# Allegro board MB1045.brd (continued)
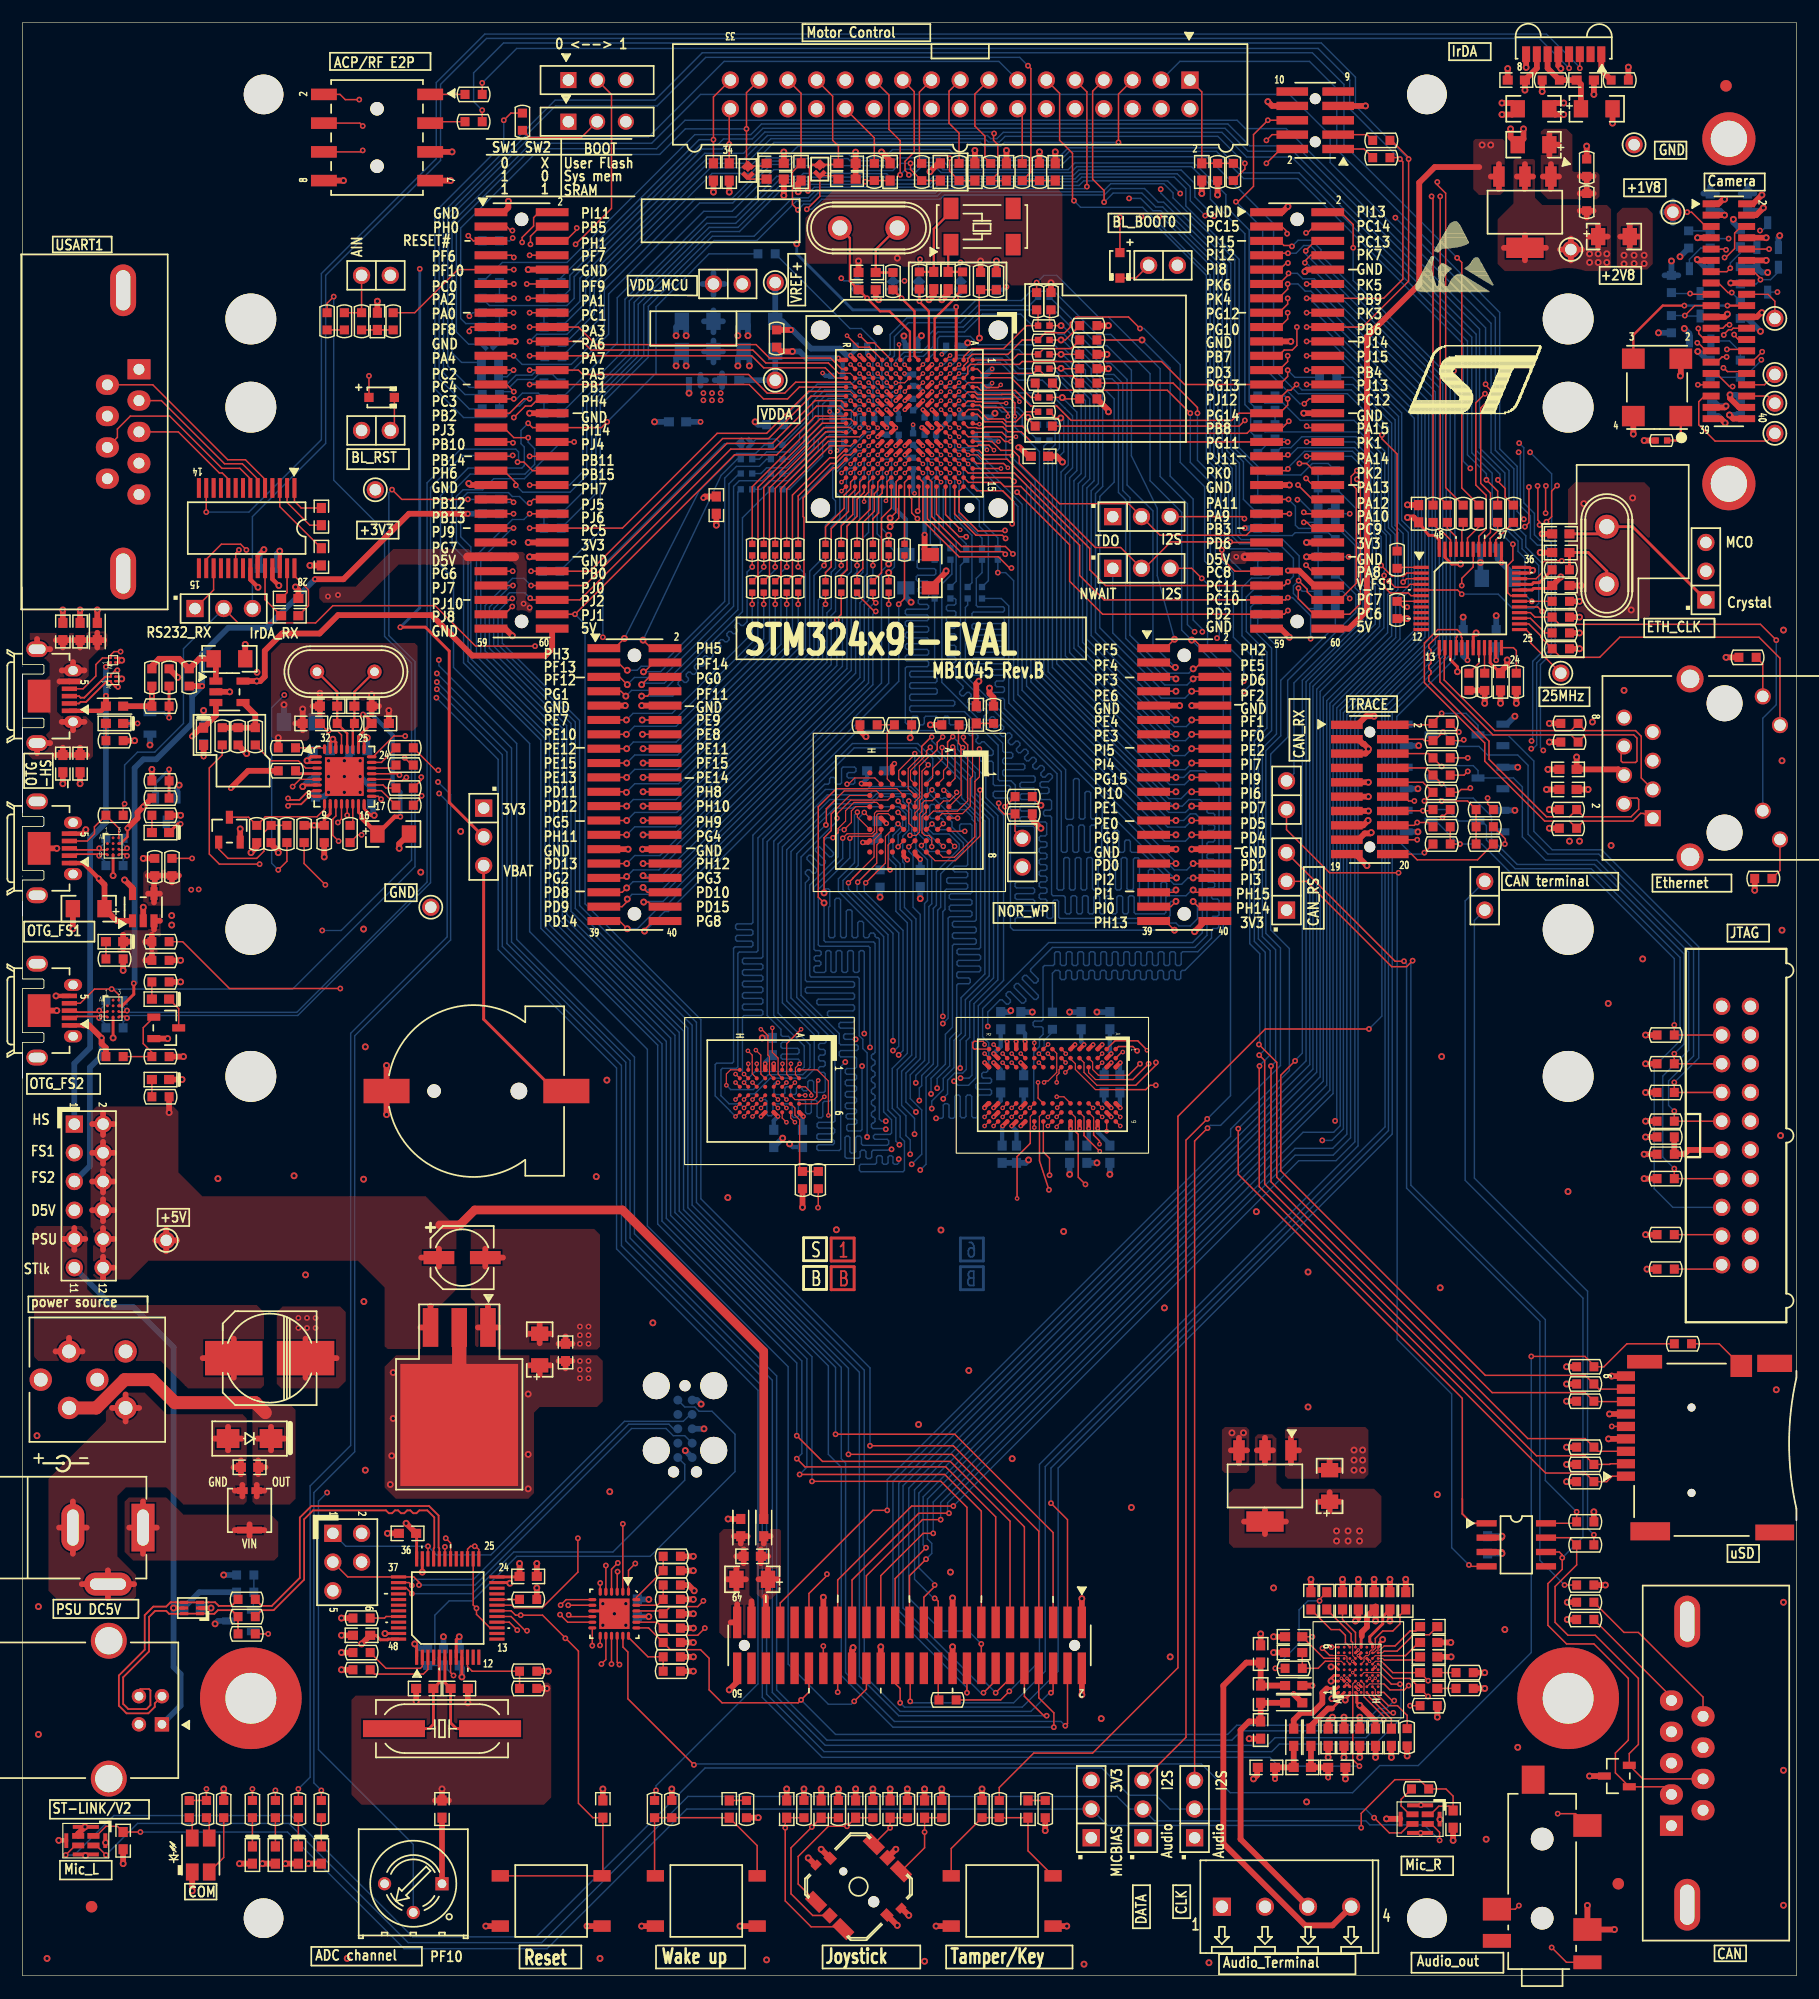
[diagram p0: board, top side]
## Routing (per net, layer and track width the routed paths; a pad name or vN(x,y) marks a point on that pad's centre or on a via; arc(x,y) is an arc through that point) (continued)
NETC10_2: length 77.2
  TOP w0.127: v1(68.55,156.16) 68.07,156.64 68.07,159.51 C10.2 68.83,166.47 CN1.29
  BOTTOM w0.127: v1(68.55,156.16) 69.06,156.67 69.8,156.67 70.51,157.38 80.87,157.38 81.25,157.76 95.5,157.76 96.22,158.47 100.91,158.47 101.73,157.66 101.73,157.23 107.19,151.76 107.19,135.05 109.22,133.02 R255.2
NETC11_1: length 48.2
  TOP w0.127: v1(74.5,158.65) 74.6,158.75 R9.2 C11.1
  BOTTOM w0.127: R263.1 50.32,131.98 50.32,139.12 54.43,143.23 54.43,147.81 60.86,154.24 63.39,154.24 67.44,158.29 69.19,158.29 69.32,158.42 74.27,158.42 v1(74.5,158.65)
NETC12_2: length 46.2
  TOP w0.127: C12.2 R10.1 78.51,159.74 v1(78.51,160.27)
  BOTTOM w0.127: R242.1 53.26,143.81 53.26,148.26 60.53,155.52 63.08,155.52 66.68,159.13 68.78,159.13 69.04,159.38 73.18,159.38 73.43,159.64 76.96,159.64 77.6,160.27 v1(78.51,160.27)
NETC13_2: length 56.3
  TOP w0.127: v1(81.97,160.73) 81.97,159.59 R11.1 C13.2
  BOTTOM w0.127: v1(81.97,160.73) 81.51,161.19 76.97,161.19 76.28,160.5 73.17,160.5 72.97,160.7 68.39,160.7 67.87,160.17 66.19,160.17 62.79,156.77 59.87,156.77 51.82,148.72 51.82,145.16 48.61,141.95 45.43,141.95 45.02,141.54 43.62,141.54 42.89,140.8 41.16,140.8 R232.1
NETC14_2: length 52.2
  TOP w0.127: C14.2 R12.1 86.23,159.38 86.23,161.93 85.85,162.31 85.85,162.86 v1(85.9,162.92)
  BOTTOM w0.127: R218.1 48.27,147.07 49.28,148.07 49.28,150.11 60.33,161.16 63.75,161.16 65.63,163.04 85.78,163.04 v1(85.9,162.92)
NETC15_1: length 89.3
  TOP w0.127: C15.1 R14.1 R13.2 89.15,159.51 89.15,168.66 v1(88.9,168.91)
  BOTTOM w0.127: R235.1 39.12,139.83 37.21,141.73 37.21,155.45 47.12,165.35 56.11,165.35 60.4,169.65 88.16,169.65 v1(88.9,168.91)
NETC16_2: length 10.6
  TOP w0.127: CN1.1 104.27,166.59 C16.2 R15.1 R16.1
NETC17_1: length 1.7
  TOP w0.127: C17.1 64.32,158.88 SB2.1
NETC18_2: length 79
  TOP w0.127: C18.2 71.83,159.18 SB1.1 70.49,157.36 v1(69.34,156.21)
  BOTTOM w0.127: v1(69.34,156.21) 69.77,156.21 70.66,157.1 81.13,157.1 81.51,157.48 95.66,157.48 96.22,158.05 99.2,158.05 100.41,156.84 100.89,156.84 106.48,151.26 106.48,134.87 107.59,133.76 107.59,127.64 107.87,127.36 112.27,127.36 112.52,127.61 115.47,127.61 R268.2
NETC20_1: length 6.3
  TOP w0.203: X2.2 75.44,152.65 C20.1 R20.2
NETC21_1: length 7.5
  TOP w0.203: R18.1 C21.1 80.57,154.48 82.09,156 X1.4
NETC22_1: length 3.8
  TOP w0.203: X1.1 81.84,152.84 C22.1 R19.1
NETC24_2: length 2.8
  TOP w0.127: R27.1 C24.2 R28.1
NETC28_1: length 3.8
  TOP w0.127: U4.1 24.04,130.39 24.64,129.79 C28.1
NETC28_2: length 5.1
  TOP w0.127: C28.2 25.4,128.27 23.39,130.28 U4.2
NETC29_1: length 15
  TOP w0.254: C29.1 139.45,127.51 X4.1 142.37,128.14 JP6.1
NETC30_2: length 6.7
  TOP w0.254: R64.2 C30.2 138.43,125.86 140.08,124.21 X4.2
NETC31_2: length 6.9
  TOP w0.127: C31.2 22.74,129.92 U4.3
NETC32_1: length 10.6
  TOP w0.127: v2(81.21,134.49) U3.E11
  TOP w0.508: v1(79.76,127.43) 79.76,126.14 80.21,125.68 C32.1
  BOTTOM w0.127: v2(81.21,134.49) 80.83,134.11 80.16,134.11 80.01,133.96 80.01,132.56 79.91,132.46 79.88,132.46
  BOTTOM w0.381: v1(79.76,127.43) 79.76,132.33 79.88,132.46
NETC34_2: length 2.9
  TOP w0.127: U4.27 23.39,122.32 C34.2
NETC35_1: length 4.8
  TOP w0.127: U4.24 21.44,121.69 C35.1
NETC35_2: length 5.1
  TOP w0.127: C35.2 25.27,121.16 25.27,122.56 24.04,123.79 U4.28
NETC36_1: length 21.4
  TOP w0.508: 4.47,118.11 C37.1 ; C37.1 5.69,118.11 ; C37.1 5.08,117.46 ; C45.1 3.56,108.6 ; C45.1 2.95,107.95 ; C45.1 4.17,107.95 ; 3.56,117.46 C36.1 ; C36.1 4.17,118.11 ; C36.1 2.95,118.11 ; 2.44,117.31 CN9.8 1.28,118.21 ; 3.46,115.43 CN9.7 ; CN9.7 5.46,115.43 ; CN9.7 4.46,116.17 ; 4.47,107.95 C46.1 ; C46.1 5.69,107.95 ; C46.1 5.08,108.6 ; L1.2 7.21,118.11 ; L1.2 6.6,117.46 ; L1.2 5.99,118.11 ; L1.2 6.6,118.76 ; 4.46,110.14 CN9.6 ; CN9.6 3.46,110.88 ; CN9.6 5.46,110.88 ; 2.44,109.01 CN9.9 1.28,108.1 ; 5.01,114.46 CN9.5 3.26,114.46
NETC38_1: length 8.8
  TOP w0.508: U6.1 17.09,116.26 C38.1 15.62,116.46 R83.2 13.84,116.46 12.07,116.46 11.43,115.82 R81.1
NETC40_1: length 8
  TOP w0.203: U7.28 28.7,109.86 R89.2 C40.1 27.81,113.54 X5.1
NETC41_1: length 7.6
  TOP w0.203: X5.2 29.34,113.54 C41.1 R89.1 29.2,110.61 U7.27
NETC42_1: length 12.4
  TOP w0.102: 84,107.95 84,106.07 83.79,105.87 83.79,103.45 83.11,102.77 81.31,102.77 U8.B5
  TOP w0.127: 84,107.95 84,110.41 C42.1 R88.2
NETC43_1: length 5
  TOP w0.127: U7.29 28.2,109.72 27.81,110.11 v1(27.05,110.11) 26.92,110.11 C43.1
  BOTTOM w0.127: v1(27.05,110.11) 26.67,110.11 C137.1
NETC44_1: length 20.8
  TOP w0.254: 29.96,102.63 29.7,102.89 U7.15 ; U7.26 29.7,109.58 C44.1 30.86,110.9 30.23,111.53 v1(30.1,111.53)
  TOP w0.381: v1(33.4,102.49) 32.89,102.49 C49.1 29.96,102.37 29.96,102.63
  BOTTOM w0.381: v1(33.4,102.49) 33.4,104.67 32.72,105.36 32.72,109.7 30.89,111.53 v1(30.1,111.53)
NETC55_1: length 27.7
  TOP w0.508: D7.3 21.37,42.89 ; D7.3 20.7,43.4 ; D7.3 20.7,42.38 ; Z1.2 23.17,47.5 ; Z1.2 20.76,47.5 ; Z1.2 21.97,48.54 ; Z1.2 21.97,46.46 ; 20.83,44.35 C55.1 ; C55.1 21.48,44.96 ; C55.1 20.83,45.57
  TOP w1.143: 21.46,49.78 20.57,50.67 13.46,50.67 11.43,52.7 9.02,52.7 6.52,50.2 L3.1
NETC55_2: length 27
  TOP w0.508: Z1.1 19.37,47.5 ; Z1.1 18.17,46.46 ; Z1.1 16.96,47.5 ; Z1.1 18.17,48.54 ; 9.1,49.01 L3.2 ; L3.2 7.91,50.2 ; L3.2 10.3,50.2 ; L3.2 9.1,51.4 ; CN18.3 4.45,41.94 ; CN18.3 4.45,37.31 ; CN18.3 5.66,39.62 ; CN18.3 3.23,39.62 ; 19.43,42.38 19.43,42.89 ; 19.43,42.89 18.76,42.89 ; 19.43,42.89 19.43,43.4 ; 5.23,34.62 CN18.2 ; CN18.2 7.54,35.84 ; CN18.2 7.54,33.4 ; CN18.2 9.86,34.62 ; 19.3,44.35 C55.2 ; C55.2 19.3,45.57 ; C55.2 18.66,44.96
NETC58_1: length 9
  TOP w0.508: C58.1 65.28,37.69 ; C58.1 65.28,36.47 ; C58.1 65.93,37.08 ; 65.91,34.09 65.91,35.05 ; 65.91,35.05 65.07,35.05 ; 65.91,35.05 66.75,35.05 ; 65.91,35.05 65.91,36.02 ; 65.53,38.21 L5.2 66.14,38.86 ; CN20.45 65.72,33.46 65.66,33.53
NETC58_2: length 11.4
  TOP w0.508: 63.18,32.84 CN20.49 62.61,31.24 ; 63.11,37.08 C58.2 ; C58.2 63.75,36.47 ; C58.2 63.75,37.69 ; 62.28,35.05 C60.2 ; C60.2 63.12,36.02 ; C60.2 63.96,35.05 ; C60.2 63.12,34.09 ; 62.89,38.86 L4.2 ; L4.2 63.5,38.21 ; L4.2 64.11,38.86 ; CN20.47 64.45,33.11
NETC61_2: length 5.2
  TOP w0.127: C61.2 115.7,30.61 116.46,30.61 116.97,30.1 116.97,29.44 U17.C9
NETC62_1: length 5.4
  TOP w0.089: U17.D7 117.61,28.3 117.61,29.46 117.6,29.46
  TOP w0.127: C62.1 117.47,30.23 117.47,29.59 117.6,29.46
NETC62_2: length 55
  TOP w0.127: v1(135.2,2.49) 136.51,1.18 CN23.2 ; R176.1 v1(110.77,27.18) ; v1(114.68,33.15) 114.68,33.27 C62.2
  L4_SIG w0.102: v1(135.2,2.49) 134.04,2.49 130.81,5.71 130.81,12.88 122.53,21.16 112.75,21.16 110.77,23.14 v1(110.77,27.18)
  BOTTOM w0.127: v1(114.68,33.15) 113.67,33.15 112.87,32.35 112.87,29.37 110.77,27.28 v1(110.77,27.18)
NETC63_1: length 3.8
  TOP w0.089: U17.D9 117.86,29.46
  TOP w0.127: 117.86,29.46 117.86,30.35 116.71,31.5 C63.1
NETC67_1: length 7.2
  TOP w0.089: U17.E6 118.36,27.55 118.61,27.81 118.61,28.15 118.76,28.3 118.96,28.3 119.11,28.45 119.11,28.65 119.26,28.8 119.46,28.8 119.61,28.95 119.61,28.97 119.61,28.97 119.61,29.46
  TOP w0.127: 119.61,29.46 119.61,29.82 120.27,30.48 121.16,30.48 121.79,31.11 121.79,31.88 C67.1
NETC68_1: length 6.2
  TOP w0.089: U17.H8 120.25,28.55 120.4,28.7
  TOP w0.127: C68.1 124.38,30.15 122.99,30.15 121.54,28.7 120.4,28.7
NETC68_2: length 5.2
  TOP w0.089: 120.4,29.16 120.04,28.8 119.76,28.8 119.51,28.55 U17.G8
  TOP w0.127: C68.2 123.19,30.48 122.68,30.48 121.36,29.16 120.4,29.16
NETC70_2: length 38.8
  TOP w0.127: U17.A7 116.34,28.07 115.06,28.07 C70.2 v1(114.05,29.97)
  L4_SIG w0.102: JP13.1 95.5,12.19 96.9,13.59 104.65,13.59 106.17,15.11 106.17,27.05 108.58,29.46 113.54,29.46 v1(114.05,29.97)
NETC71_1: length 4.8
  TOP w0.089: 120.4,28.3 119.96,28.3 119.96,28.3 119.61,28.3 119.36,28.05 U17.G7
  TOP w0.127: C71.1 123.44,29.46 122.28,28.3 120.4,28.3
NETC72_2: length 5.5
  TOP w0.089: U17.B6 116.61,27.8 115.82,27.8
  TOP w0.127: 115.82,27.8 115.18,27.8 114.55,27.18 R176.2 C72.2
NETC73_1: length 37.3
  TOP w0.508: L6.2 C79.2 C73.1 108.2,27.69 106.17,25.65 106.17,11.68 113.41,4.45 115.82,4.45 CN24.4
NETC74_1: length 3.9
  TOP w0.089: U17.H7 120.26,28.05 120.4,27.91
  TOP w0.127: 120.4,27.91 123.29,27.91 C74.1
NETC75_1: length 31.7
  TOP w0.089: U17.G6 119.61,27.8 120.15,27.8 120.4,27.56
  TOP w0.127: v1(132.31,6.2) 131.99,5.88 CN23.4 ; v1(124.28,26.09) C75.1 121.15,26.8 120.4,27.56
  L4_SIG w0.102: v1(124.28,26.09) 123.52,25.32 123.52,22.25 131.57,14.2 131.57,6.93 v1(132.31,6.2)
NETC75_2: length 1.7
  TOP w0.127: C75.2 R180.1
NETC78_1: length 24.4
  TOP w0.089: 120.4,27.05 119.9,27.55 U17.H6
  TOP w0.127: CN23.6 137.32,14.33 v1(135.74,14.33) ; v1(124.28,24.69) C78.1 122.68,26.29 121.16,26.29 120.4,27.05
  L4_SIG w0.102: v1(135.74,14.33) 125.37,24.69 v1(124.28,24.69)
NETC78_2: length 1.7
  TOP w0.127: C78.2 R182.1
NETC79_1: length 24
  TOP w0.508: CN24.3 107.7,12.06 107.7,21.72 108.46,22.48 C80.1 C79.1 L7.2
NETC85_1: length 4.1
  TOP w0.127: C85.1 121.03,22.69 119.08,24.64 119.08,24.83 U17.F1
NETC86_2: length 16.2
  TOP w0.508: L8.2 C87.1 C86.2 v1(110.74,17.4)
  L4_SIG w0.508: CN24.2 110.74,6.99 v1(110.74,17.4)
NETC87_2: length 24.3
  TOP w0.508: L9.2 C87.2 C88.2 v1(115.44,17.53)
  L4_SIG w0.508: CN24.1 109.6,9.65 109.6,18.03 110.24,18.67 114.3,18.67 v1(115.44,17.53)
NETC89_1: length 137.9
  TOP w0.127: v1(10.41,12.7) C99.1 8.38,13.21 7.37,13.21 6.52,12.36 U19.1 ; U18.1 124.5,14.27 125.22,14.99 126.11,14.99 C89.1 126.49,15.88 125.86,16.51 R204.2 123.51,17.34 121.35,17.34 118.36,14.35 v1(118.36,13.08)
  BOTTOM w0.127: v1(10.41,12.7) 23.42,12.7 33.73,2.39 46.38,2.39 58.73,14.73 JP13.2 95.94,13.28 118.16,13.28 v1(118.36,13.08)
NETC92_1: length 1.5
  TOP w0.127: R195.2 C92.1
NETC98_1: length 1.5
  TOP w0.127: R203.2 C98.1
NETC131_2: length 9.1
  TOP w0.254: U5.37 v1(130.77,124.97) ; U5.18 v1(127.77,116.33) ; U5.23 130.27,116.37 v1(130.3,116.33)
  BOTTOM w0.508: C134.1 131.83,123.91 v1(130.77,124.97) 130.43,125.31 C131.2 ; C135.1 v1(130.3,116.33) ; C136.2 127.38,116.72 v1(127.77,116.33)
NETC133_1: length 10.8
  TOP w0.127: U3.L11 v2(75.61,134.49)
  BOTTOM w0.127: 76.83,132.41 76.83,133.88 76.61,134.11 75.99,134.11 v2(75.61,134.49)
  BOTTOM w0.381: C133.1 78.11,128.78 77.11,129.77 77.11,131.75 76.83,132.03 76.83,132.41
NETCN1_3: length 83
  L4_SIG w0.102: v1(132.74,128.8) 131.75,127.81 124.41,127.81 122.43,125.83 119.66,125.83 117.47,123.65 117.47,121.92 v1(117.35,121.79)
  BOTTOM w0.127: CN1.3 102.33,169.29 113.79,169.29 116.2,166.88 116.2,161.49 130.61,147.09 130.61,135.03 132.16,133.48 132.16,129.49 132.74,128.91 v1(132.74,128.8) ; R292.1 116.71,122.43 v1(117.35,121.79)
NETCN1_5: length 64.4
  TOP w0.127: v1(96.9,162.13) 96.9,166.4 CN1.5
  BOTTOM w0.127: v1(96.9,162.13) 86.82,162.13 86.49,161.8 85.01,161.8 84.68,162.13 66.45,162.13 64.21,159.89 60.83,159.89 50.55,149.61 50.55,146.94 48.06,144.45 R225.2
NETCN1_9: length 79.7
  TOP w0.127: CN1.9 94.11,166.59 v1(94.11,158.22)
  BOTTOM w0.127: R282.1 51.08,127.79 51.08,138.89 55.33,143.14 55.33,147.63 61.14,153.45 64.93,153.45 68.43,156.95 69.62,156.95 70.33,157.66 80.7,157.66 81.08,158.04 93.93,158.04 v1(94.11,158.22)
NETCN1_11: length 55.7
  TOP w0.127: CN1.11 91.69,166.47 91.69,162.31 92.84,161.16 92.84,157.1 v1(92.96,156.97)
  BOTTOM w0.127: R280.1 110.03,126.19 106.73,126.19 106.3,126.62 106.3,133.02 105,134.32 105,150.42 99.03,156.39 93.55,156.39 v1(92.96,156.97)
NETCN1_13: length 81.4
  BOTTOM w0.127: R234.1 46.86,141.6 45.59,141.6 45.15,141.16 43.75,141.16 43.05,140.46 39.5,140.46 37.59,142.37 37.59,155.32 44.88,162.61 55.35,162.61 62.03,169.29 86.33,169.29 CN1.13
NETCN1_14: length 5
  TOP w0.127: CN1.14 88.39,164.69 R13.1
NETCN1_15: length 8.5
  TOP w0.127: CN1.15 84.2,166.4 84.2,163.58 85.09,162.69 85.09,160.78 R12.2
NETCN1_17: length 8.1
  TOP w0.127: R11.2 82.8,162.94 81.92,163.83 81.92,166.65 CN1.17
NETCN1_19: length 7.9
  TOP w0.127: CN1.19 79.3,166.58 79.3,160.48 R10.2
NETCN1_21: length 61.6
  TOP w0.127: CN1.21 78.84,166.62 78.84,161.26 78.03,160.45 78.03,159.65 78.37,159.31 v1(78.37,159.25)
  BOTTOM w0.127: v1(78.37,159.25) 78.73,159.25 79.55,160.07 80.59,160.07 81.2,159.46 92.68,159.46 93.21,159.98 103.37,159.98 105.03,158.32 105.03,157.1 108.08,154.05 108.08,138.94 108.58,138.43 108.58,136.53 R246.2
NETCN1_23: length 60.5
  TOP w0.127: v1(77.6,159.26) 77.6,162.28 76.61,163.27 76.61,166.32 CN1.23
  BOTTOM w0.127: v1(77.6,159.26) 78.11,159.77 78.73,159.77 79.32,160.35 80.75,160.35 81.38,159.72 92.46,159.72 93.05,160.31 103.59,160.31 106.4,157.51 106.4,156.44 108.46,154.38 108.46,139.19 R240.1
NETCN1_26: length 5.9
  TOP w0.127: CN1.26 75.31,162.53 R9.1
NETCN2_1: length 3.4
  TOP w0.127: CN2.1 118.62,161.54 R7.2
NETCN2_3: length 3.3
  TOP w0.127: R6.2 118.87,162.81 CN2.3
NETCN3_1: length 3.1
  TOP w0.127: R3.2 CN3.1
NETCN3_3: length 3.1
  TOP w0.127: R4.2 36.16,163.96 CN3.3
NETCN4_1: length 4.8
  TOP w0.127: R26.1 R27.2 CN4.1
NETCN5_15: length 178.1
  TOP w0.127: v1(52.63,36.5) 52.07,35.95 U16.4 ; CN5.15 149.95,149.69 150.8,148.84 v1(151.13,148.84)
  L4_SIG w0.102: v1(151.13,148.84) 151.23,148.84 152.68,147.4 152.68,134.67 153.54,133.81 153.54,123.83 149.38,119.66 143.46,119.66 136.7,112.9 135.22,112.9 128.52,106.21 128.52,104.78 127.76,104.01 127.76,100.08 126.33,98.64 126.33,97.96 116.33,87.96 116.33,78.87 75.36,37.9 54.03,37.9 v1(52.63,36.5)
  BOTTOM w0.127: v1(151.13,148.84) R216.2
NETCN5_18: length 4.3
  TOP w0.127: CN5.18 154.33,148.69 154.94,148.08 TP3.1
NETCN5_34: length 2.9
  TOP w0.127: TP4.1 154.03,140.69 CN5.34
NETCN5_35: length 11
  TOP w0.127: TP7.1 154.25,135.71 149.66,135.71 148.21,137.16 148.21,139.19 148.71,139.69 CN5.35
NETCN5_36: length 2.8
  TOP w0.127: CN5.36 154.31,139.69 TP6.1
NETCN6_3: length 40.4
  TOP w0.127: v1(43.31,154.33) 43.15,154.33 42.8,154.69 CN6.3
  L4_SIG w0.102: v1(77.98,149.88) 77.75,150.11 73.03,150.11 71.04,152.1 54.53,152.1 51.49,155.14 45.77,155.14 44.86,154.23 43.41,154.23 v1(43.31,154.33)
  BOTTOM w0.127: SB5.2 v1(77.98,149.88)
NETCN6_5: length 3.6
  TOP w0.127: v1(39.41,153.87) 39.86,153.42 CN6.5
  BOTTOM w0.127: v1(39.41,153.87) 39.86,153.42 R208.2
NETCN6_6: length 29.4
  TOP w0.127: CN6.6 48.01,153.42 49,154.41 v1(49,154.56)
  L4_SIG w0.102: v1(72.39,150.11) 70.79,151.71 54.28,151.71 51.44,154.56 v1(49,154.56)
  BOTTOM w0.127: SB6.2 72.62,149.88 v1(72.39,150.11)
NETCN7_3: length 38.7
  TOP w0.127: v1(111.81,154.05) 111.81,154.23 111.35,154.69 CN7.3
  L4_SIG w0.102: v1(79.35,151.79) 80.57,150.57 87.68,150.57 91.31,154.2 111.66,154.2 v1(111.81,154.05)
  BOTTOM w0.127: v1(79.35,151.79) 79.22,151.66 SB4.2
NETCN7_4: length 36.3
  TOP w0.127: CN7.4 114.17,154.69 113.61,154.13 v1(113.49,154.13)
  L4_SIG w0.102: v1(113.49,154.13) 112.39,154.13 111.94,154.58 91.16,154.58 87.5,150.93 83.52,150.93 v1(82.93,151.51)
  BOTTOM w0.127: v1(82.93,151.51) 82.9,151.48 SB3.2
NETCN8_2: length 14.2
  TOP w0.127: CN8.2 12.27,139.29 17.86,133.71 19.43,133.71 20.79,132.34 U4.6
NETCN8_3: length 10.4
  TOP w0.127: U4.10 18.19,132.35 17.65,132.89 17.4,132.89 13.77,136.53 CN8.3
NETCN8_6: length 18.2
  TOP w0.127: U4.5 21.44,132.33 19.7,134.06 18.14,134.06 11.51,140.69 CN8.6
NETCN8_8: length 17.3
  TOP w0.127: CN8.8 8.38,136.04 8.38,136.78 9.53,137.92 13,137.92 17.63,133.3 19.21,133.3 20.14,132.37 U4.7
NETCN9_2: length 28.3
  TOP w0.155: v1(23.47,103.45) 23.61,103.59 24.63,103.59 25.39,104.35 25.59,104.35 25.65,104.29 U7.8 ; v1(8.44,113.97) 8.2,113.97 7.8,114.37 D4.A1 7.8,114.49 7.46,114.49 5.61,112.64 5.12,112.64 4.99,112.51 CN9.2
  L4_SIG w0.13: v1(23.47,103.45) 23.33,103.59 22.87,103.59 11.86,114.6 9.53,114.6 8.89,113.97 v1(8.44,113.97)
NETCN9_3: length 28.3
  TOP w0.155: CN9.3 4.99,113.16 5.12,113.02 5.45,113.02 7.3,114.87 7.79,114.87 D4.A2 7.8,115.04 8.2,115.44 v1(8.38,115.44) ; U7.7 25.71,104.8 25.65,104.74 25.23,104.74 24.47,103.97 23.61,103.97 v1(23.47,104.11)
  L4_SIG w0.13: v1(8.38,115.44) 8.97,115.44 9.42,114.99 12.01,114.99 23.03,103.97 23.33,103.97 v1(23.47,104.11)
NETCN9_4: length 29.5
  TOP w0.127: v1(23.88,105.16) 24.52,105.8 U7.5 ; v1(8.66,117.09) 8.08,117.09 7.8,116.81 D3.A2 7.06,116.53 6.48,115.95 6.48,114.94 5.35,113.81 CN9.4
  L4_SIG w0.102: v1(23.88,105.16) 23.62,105.16 14.61,114.17 14.61,114.71 12.22,117.09 v1(8.66,117.09)
NETCN10_1: length 35.8
  TOP w0.13: CN10.1 143.3,102.79 143.06,102.79 142.39,102.11 138.05,102.11 R121.2 136.78,102.11 134.59,102.11 129.29,107.41 129.29,109.02 123.95,114.35 123.95,117.86 125.14,119.04 126.85,119.04 127.21,118.69 127.21,118.4 127.27,118.34 U5.17
NETCN10_2: length 35.7
  TOP w0.13: U5.16 126.77,118.34 126.83,118.4 126.83,118.53 126.7,118.66 125.29,118.66 124.33,117.7 124.33,117.44 124.54,117.24 124.54,116.98 124.33,116.78 124.33,116.52 124.54,116.31 124.54,116.05 124.33,115.85 124.33,115.59 124.54,115.39 124.54,115.13 124.33,114.93 124.33,114.51 129.67,109.17 129.67,107.57 134.75,102.49 136.78,102.49 R115.2 138.05,102.49 142.23,102.49 142.9,103.16 142.9,104.01 142.77,104.14 141.73,104.14 141.6,104.01 141.6,103.63
NETCN10_3: length 28
  TOP w0.13: CN10.3 143.13,105.92 143.13,109.6 142.62,110.11 138.18,110.11 R91.2 136.91,110.11 130.18,110.11 125.71,114.58 125.71,116.49 125.77,116.55 U5.14
NETCN10_6: length 28.1
  TOP w0.13: 141.6,108.71 141.48,108.71 141.35,108.58 141.35,107.42 141.48,107.29 142.62,107.29 142.75,107.42 142.75,109.44 142.46,109.73 138.18,109.73 R100.2 136.91,109.73 130.02,109.73 125.33,114.42 125.33,116.49 125.27,116.55 U5.13
NETCN10_9: length 3.7
  TOP w0.127: R131.1 155.39,97.74 CN10.9
NETCN10_10: length 39.3
  TOP w0.127: v1(155.07,118.11) 153.67,119.51 135.89,119.51 R77.1 133.73,120.14 133.33,120.54 U5.28
  BOTTOM w0.127: CN10.10 153.87,111.2 155.07,112.39 v1(155.07,118.11)
NETCN10_11: length 31.8
  TOP w0.127: U5.26 133.19,119.54 134.24,118.49 134.24,118.36 R79.1 136.02,116.59 139.45,116.59 141.22,118.36 153.54,118.36 155.39,116.51 CN10.11
NETCN10_12: length 3.7
  TOP w0.127: R80.1 153.87,116 CN10.12
NETCN12_6: length 47.8
  TOP w0.102: U8.A4 82.98,104.44 82.98,107.95
  TOP w0.127: 82.98,107.95 82.98,108.46 v5(83.13,108.61) 82.75,108.99 82.75,110.57 R94.1 ; v4(103.5,114.68) 103.68,114.86 CN12.6
  L4_SIG w0.102: v4(103.5,114.68) 103,114.17 101.88,114.17 96.89,109.18 84.42,109.18 83.85,108.61 v5(83.13,108.61)
  BOTTOM w0.127: JP5.1 96.39,118.75 100.99,114.15 102.97,114.15 v4(103.5,114.68)
NETCN13_2: length 58.2
  TOP w0.127: v1(146.05,78.99) R140.1 CN16.7 ; v1(125.48,111.63) 124.71,110.87 R90.1 124.59,110.62 CN13.2
  BOTTOM w0.127: v1(146.05,78.99) 148.21,81.15 148.21,90.98 139.62,99.57 135.25,99.57 133.63,101.19 133.63,107.42 131.32,109.73 D9.3 128.69,110.57 127.64,111.63 v1(125.48,111.63)
NETCN13_4: length 60.2
  TOP w0.127: CN16.9 R142.2 v1(146.05,76.45) ; CN13.4 123.83,109.35 123.95,109.22 R99.1 124.84,109.22 v1(125.6,109.98)
  BOTTOM w0.127: D10.3 125.35,109.73 v1(125.6,109.98) 126.11,109.47 126.24,109.47 127,108.71 128.78,108.71 129.54,107.95 132.21,107.95 133.12,107.04 133.12,100.94 134.87,99.19 139.37,99.19 147.75,90.8 147.75,81.33 145.54,79.12 145.54,76.96 v1(146.05,76.45)
NETCN13_6: length 67.9
  TOP w0.127: CN13.6 124.33,108.08 R103.1 v1(125.48,106.93) ; v1(146.05,71.37) R145.1 CN16.13 ; v1(125.55,102.44) R113.2
  L4_SIG w0.102: v1(125.55,102.44) 125.91,102.79 125.91,106.5 v1(125.48,106.93)
  BOTTOM w0.127: v1(125.48,106.93) 125.55,107.01 128.26,107.01 128.69,106.58 D11.3 131.83,105.92 132.61,105.13 132.61,100.71 134.67,98.65 139.19,98.65 147.32,90.53 147.32,81.84 145.03,79.55 145.03,72.39 v1(146.05,71.37)
NETCN13_8: length 49.2
  TOP w0.127: CN16.5 R139.1 v1(146.05,81.53) ; CN13.8 124.08,106.81 R106.1 v1(125.48,105.41)
  BOTTOM w0.127: D12.3 125.03,105.92 125.48,105.47 v1(125.48,105.41) 125.54,105.41 126.81,104.14 128.27,104.14 129.88,102.53 129.88,100.55 132.16,98.27 138.99,98.27 146.91,90.35 146.91,82.4 v1(146.05,81.53)
NETCN13_10: length 62.2
  TOP w0.127: CN13.10 123.83,105.54 R109.1 v1(123.95,103.89)
  BOTTOM w0.127: v1(123.95,103.89) 123.95,103.76 124.59,103.12 125.98,103.12 127,102.11 D13.3 129.03,102.11 129.44,101.7 129.44,100.43 131.98,97.89 138.71,97.89 146.56,90.04 146.56,82.68 144.27,80.39 144.27,69.6 145.92,67.94 CN16.15
NETCN13_12: length 60.5
  TOP w0.127: v1(123.06,103.89) 122.56,103.89 122.17,104.27 CN13.12 ; R38.1 91.69,140.21 101.22,140.21 v1(103.25,138.18)
  L4_SIG w0.102: v1(107.98,114.48) 115.39,107.06 119.89,107.06 v1(123.06,103.89)
  BOTTOM w0.127: v1(107.98,114.48) 107.98,116.18 106.38,117.78 106.38,124 105.03,125.35 105.03,132.05 103.25,133.83 v1(103.25,138.18)
NETCN13_14: length 61
  TOP w0.127: v1(103.89,138.18) 103.89,138.68 101.73,140.84 R39.1 ; CN13.14 121.18,103.02 v1(123.83,103.02) 124.61,103.02 R113.1
  L4_SIG w0.102: v1(107.98,113.56) 115.37,106.17 119.63,106.17 122.78,103.02 v1(123.83,103.02)
  BOTTOM w0.127: v1(103.89,138.18) 103.89,134.01 105.49,132.41 105.49,125.65 107.06,124.08 107.06,118.36 108.71,116.71 108.71,114.3 v1(107.98,113.56)
NETCN13_16: length 63.3
  TOP w0.127: R119.1 124.33,101.98 v1(123.32,101.98) 123.06,101.73 CN13.16 ; R33.1 v4(98.98,144.65)
  L4_SIG w0.102: v1(104.32,118.85) 104.32,118.69 106.83,116.18 106.83,113.77 115.7,104.9 119.63,104.9 122.56,101.98 v1(123.32,101.98)
  BOTTOM w0.127: v4(98.98,144.65) 101.47,142.16 101.47,132.61 103.5,130.58 103.5,119.89 104.32,119.08 v1(104.32,118.85)
NETCN13_18: length 71.3
  TOP w0.127: v1(89.66,149.73) R23.1 ; CN13.18 v1(123.32,100.46)
  L4_SIG w0.102: v1(123.32,100.46) 122.81,100.46 119.51,103.76 115.7,103.76 105.97,113.49 105.97,116.23 103.63,118.57 v1(103.63,118.85)
  BOTTOM w0.127: v1(89.66,149.73) 90.3,150.37 91.44,150.37 95.12,146.69 96.01,146.69 100.58,142.11 100.58,132.59 103,130.18 103,119.48 v1(103.63,118.85)
NETCN13_20: length 9.7
  TOP w0.127: CN13.20 122.81,99.19 123.32,98.68 128.65,98.68 R128.1
NETCN14_2: length 4.7
  TOP w0.155: CN14.2 4.69,99.05 4.83,99.18 6.63,99.18 v1(6.77,99.04) 6.91,99.18 7.44,99.18 D5.D1
  BOTTOM w0.155: v1(6.77,99.04) 7.37,98.45 R298.1
NETCN14_3: length 4.7
  TOP w0.155: CN14.3 4.69,99.69 4.83,99.56 6.63,99.56 v1(6.77,99.7) 6.91,99.56 7.44,99.56 D5.C1
  BOTTOM w0.155: R297.1 7.37,100.29 v1(6.77,99.7)
NETCN14_4: length 7
  TOP w0.127: CN14.4 5.73,100.34 6.35,100.97 6.35,101.6 R117.1 8.5,101.48 D5.A3
NETCN15_2: length 4.7
  TOP w0.155: D6.D1 7.44,84.83 6.91,84.83 v1(6.77,84.69) 6.63,84.83 4.83,84.83 4.69,84.69 CN15.2
  BOTTOM w0.155: v1(6.77,84.69) 7.37,84.09 R302.1
NETCN15_3: length 4.7
  TOP w0.155: D6.C1 7.44,85.21 6.91,85.21 v1(6.77,85.35) 6.63,85.21 4.83,85.21 4.69,85.34 CN15.3
  BOTTOM w0.155: R300.1 7.37,85.94 v1(6.77,85.35)
NETCN15_4: length 79.6
  TOP w0.127: v1(32.66,131.42) 33.53,130.56 v1(39.37,130.56) ; D6.A3 8.5,86.75 8,87.25 v1(7.87,87.25) 6.35,87.25 5.09,85.99 CN15.4
  BOTTOM w0.127: v1(7.87,87.25) 23.88,87.25 34.7,98.07 34.7,116.2 32.38,118.52 32.38,131.14 v1(32.66,131.42) ; R260.1 v1(39.37,130.56)
NETCN16_3: length 39.9
  TOP w0.127: v1(146.05,84.07) R136.1 CN16.3 ; v1(127.1,100.08) R127.1 R119.2
  BOTTOM w0.127: v1(146.05,84.07) 146.05,89.94 138.48,97.51 131.6,97.51 129.03,100.08 v1(127.1,100.08) 127,100.08 124.97,102.11 D14.3
NETCN16_11: length 5.9
  TOP w0.508: R143.2 R144.1 146.94,72.64 147.32,73.03 CN16.11
NETCN16_17: length 4.2
  TOP w0.127: CN16.17 150.11,65.53 R148.2
NETCN16_19: length 4.3
  TOP w0.127: CN16.19 149.86,62.48 R149.2
NETCN17_1: length 97.7
  TOP w0.127: CN17.1 140.56,44.17 140.08,43.69 R156.2 138.18,44.45 134.67,44.45 109.35,69.77 109.35,80.47 v1(109.37,80.44)
  BOTTOM w0.127: v1(109.37,80.44) 109.37,80.49 110.31,81.43 110.31,90.65 109.27,91.69 109.27,108.94 110.44,110.11 110.44,117.4 108.58,119.25 108.58,121.03 R293.1
NETCN17_2: length 97.6
  TOP w0.127: v1(109.35,81.41) 109.83,80.92 109.83,70 133.86,45.97 138.18,45.97 R155.2 140.34,45.21 140.39,45.27 CN17.2
  BOTTOM w0.127: v1(109.35,81.41) 109.88,81.94 109.88,90.5 108.92,91.47 108.92,109.22 110.03,110.34 110.03,117.04 108.2,118.87 108.2,121.92 R284.1
NETCN17_3: length 93.3
  TOP w0.127: v1(110.39,80.44) 110.39,70.21 133.1,47.5 138.18,47.5 R154.2 139.3,46.37 CN17.3
  BOTTOM w0.127: v1(110.39,80.44) 110.41,80.44 110.79,80.82 110.79,90.73 109.63,91.9 109.63,108.56 110.87,109.8 110.87,117.6 109.22,119.25 R294.1
NETCN17_7: length 97
  TOP w0.127: v1(109.32,82.35) 110.9,80.77 110.9,70.61 129.95,51.56 138.18,51.56 R153.2 138.97,50.77 CN17.7
  BOTTOM w0.127: R281.1 110.13,123.6 108.66,123.6 107.82,122.76 107.82,118.49 109.6,116.71 109.6,110.57 108.51,109.47 108.51,91.26 109.4,90.37 109.4,82.42 v1(109.32,82.35)
NETCN17_8: length 100
  TOP w0.127: v1(112.52,80.9) 111.26,79.63 111.26,71.17 129.34,53.09 138.18,53.09 R152.2 139.39,51.87 CN17.8
  BOTTOM w0.127: v1(112.52,80.9) 112.52,80.95 113.16,81.58 113.16,114.55 118.52,119.91 118.52,122.53 118.11,122.94 118.11,126.62 R265.1
NETCN17_10: length 5.2
  TOP w0.127: CN17.10 150.01,55.88 R150.2
NETCN18_1: length 10.7
  TOP w0.508: 10.64,37.31 CN18.1 ; CN18.1 10.64,41.94 ; CN18.1 9.43,39.62 ; CN18.1 11.86,39.62 ; D7.1 21.37,39.4 ; D7.1 20.07,39.91 ; D7.1 18.76,39.4 ; D7.1 20.07,38.89
NETCN20_22: length 2.8
  TOP w0.127: R183.1 80.96,24.45 CN20.22
NETCN20_39: length 27.4
  TOP w0.127: v1(71.12,35.51) 71.12,35.38 69.53,33.79 CN20.39 ; U16.5 v1(51.57,36.27)
  L4_SIG w0.102: v1(51.57,36.27) 51.57,36.08 52.37,35.28 70.89,35.28 v1(71.12,35.51)